# Altium PCB qwq.pcbdoc (part 1 of 3) (continued)
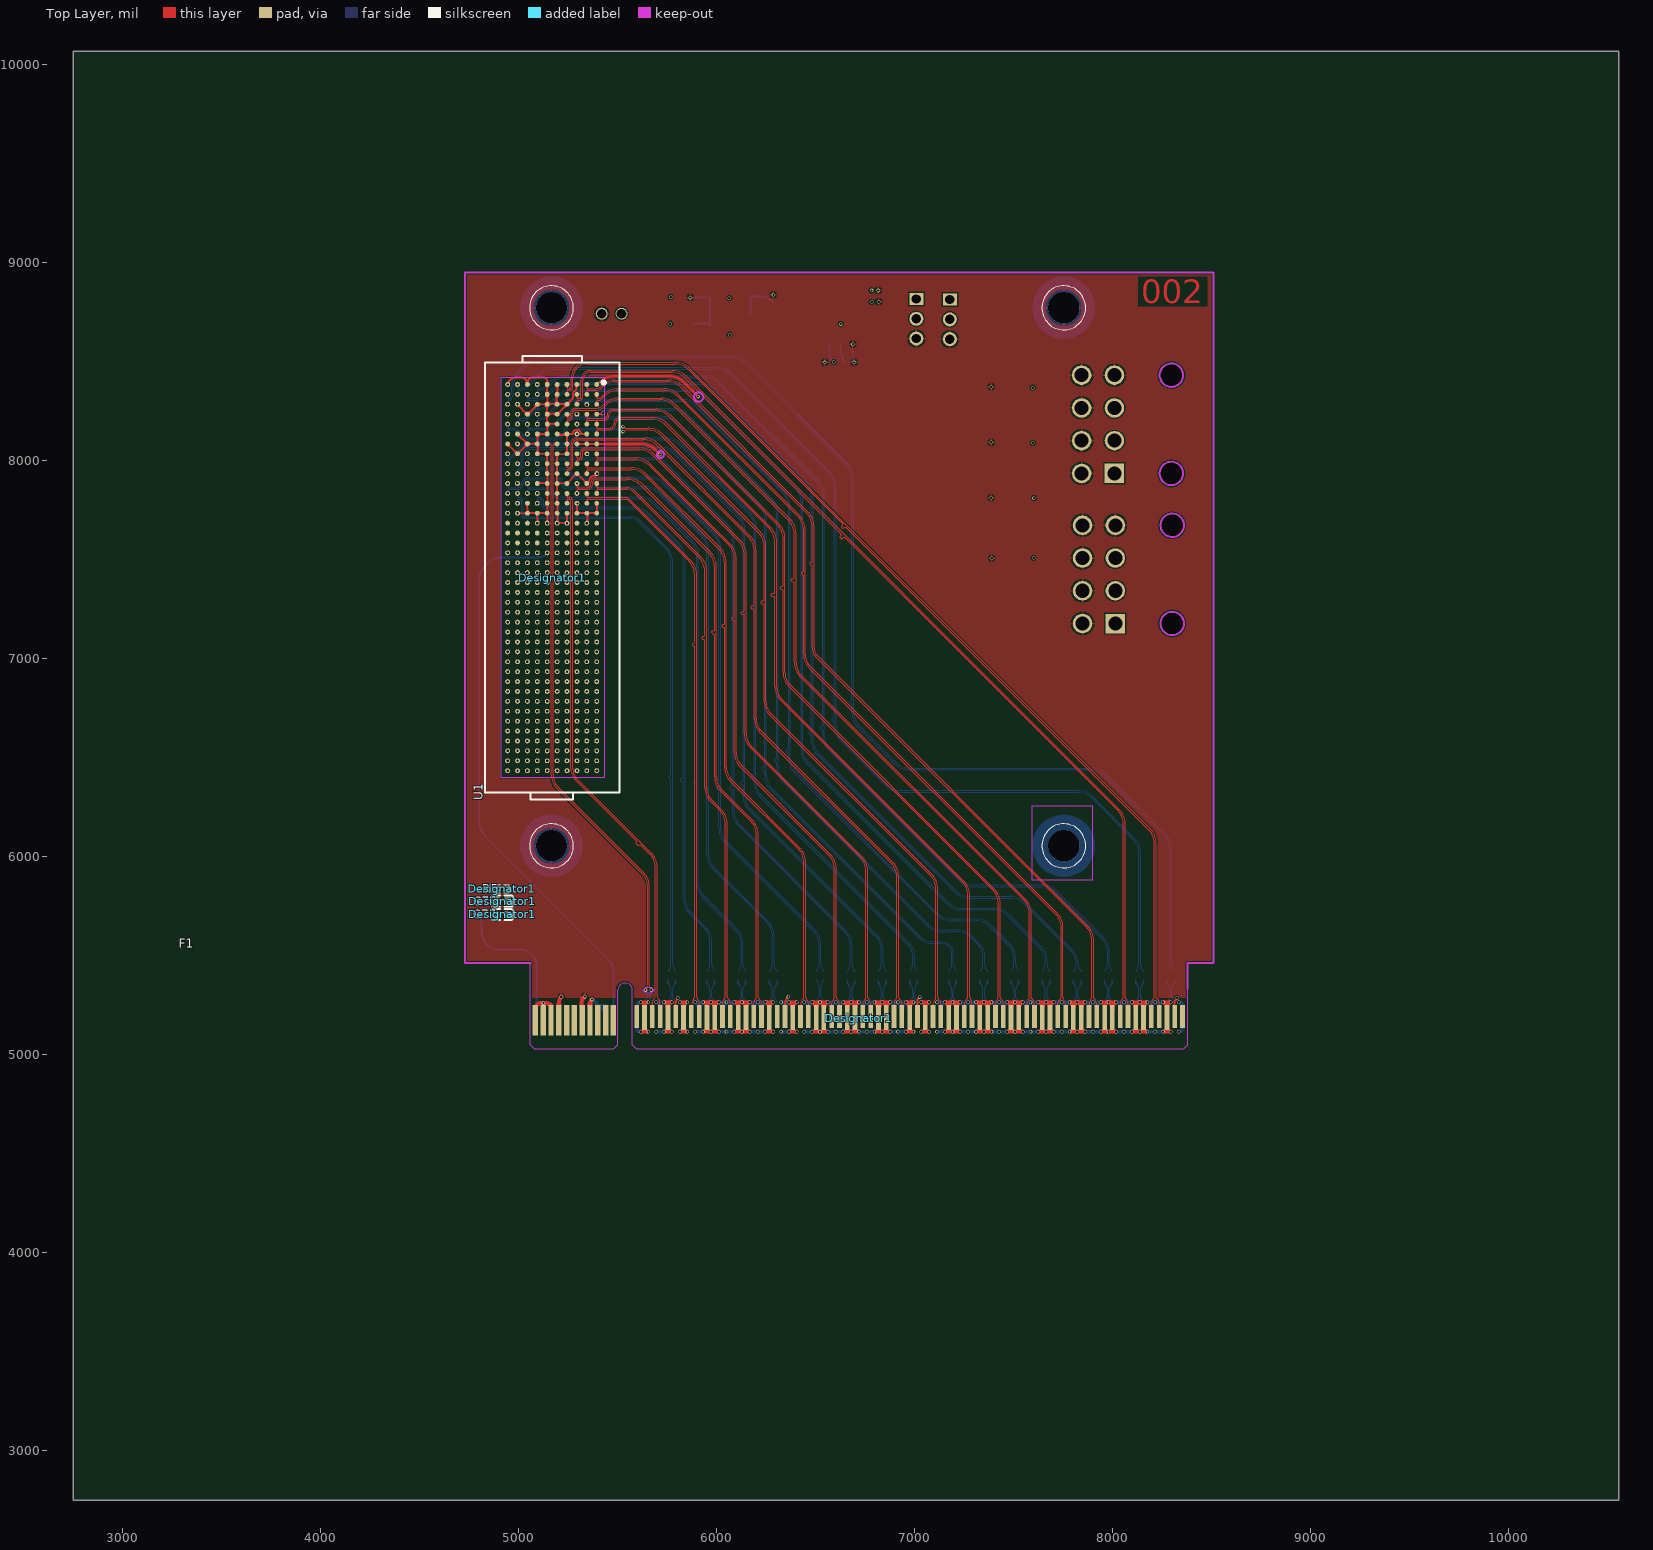
[diagram p0: Top Layer view]
## Design rules (kind name [scope] priority, off if disabled: settings)
BoardOutlineClearance copperThickness1oz_1 [All] p1: gap=10 ignorepadtopadclearanceinfootprint=FALSE except(0: Arc-SplitContinuation Track-SplitContinuation SMDPad-SplitContinuation THPad-SplitContinuation Via-SplitContinuation Fill-SplitContinuation Poly-SplitContinuation Region-SplitContinuation Text-SplitContinuation; 6: Track-CutoutEdge SMDPad-CutoutEdge THPad-CutoutEdge Via-CutoutEdge Region-CutoutEdge; 11.8: Track-OutlineEdge SMDPad-OutlineEdge THPad-OutlineEdge Via-OutlineEdge Fill-OutlineEdge Fill-CutoutEdge Poly-OutlineEdge Region-OutlineEdge Text-OutlineEdge)
BoardOutlineClearance copperThickness2oz_1 [All] p2: gap=10 ignorepadtopadclearanceinfootprint=FALSE except(0: Arc-SplitContinuation Track-SplitContinuation SMDPad-SplitContinuation THPad-SplitContinuation Via-SplitContinuation Fill-SplitContinuation Poly-SplitContinuation Region-SplitContinuation Text-SplitContinuation; 6: Track-CutoutEdge SMDPad-CutoutEdge THPad-CutoutEdge Via-CutoutEdge Region-CutoutEdge; 11.8: Track-OutlineEdge SMDPad-OutlineEdge THPad-OutlineEdge Via-OutlineEdge Fill-OutlineEdge Fill-CutoutEdge Poly-OutlineEdge Region-OutlineEdge Text-OutlineEdge)
Clearance copperThickness1oz [(InNet('GND') OR InNet('+12V') OR InNet('CLK+') OR InNet('CLK-') OR InNet('RX0-') OR InNet('RX15+') OR InNet('RX15-') OR InNet('RX11-') OR InNet('RX7-') OR InNet('RX0+') OR InNet('RX7+') OR InNet('RX11+') OR InNet('RX14-') OR InNet('RX14+') OR InNet('RX6-') OR InNet('RX3+') OR InNet('RX3-') OR InNet('RX6+') OR InNet('RX10-') OR InNet('RX4-') OR InNet('RX13+') OR InNet('RX13-') OR InNet('RX1-') OR InNet('RX1+') OR InNet('RX4+') OR InNet('RX10+') OR InNet('RX2+') OR InNet('RX2-') OR InNet('RX9-') OR InNet('RX12+') OR InNet('RX9+') OR InNet('RX12-') OR InNet('RX5-') OR InNet('RX5+') OR InNet('RX8+') OR InNet('RX8-') OR InNet('+3V3') OR InNet('+5V') OR InNet('+1V8') OR InNet('TX8-') OR InNet('TX3+') OR InNet('TX15+') OR InNet('TX7+') OR InNet('TX8+') OR InNet('TX3-') OR InNet('TX7-') OR InNet('TX15-') OR InNet('TX0-') OR InNet('TX11+') OR InNet('TX14-') OR InNet('TX0+') OR InNet('TX6-') OR InNet('TX6+') OR InNet('TX11-') OR InNet('TX14+') OR InNet('TX2-') OR InNet('TX2+') OR InNet('TX5-') OR InNet('TX12+') OR InNet('TX12-') OR InNet('TX9+') OR InNet('TX9-') OR InNet('TX5+') OR InNet('TX1-') OR InNet('TX1+') OR InNet('TX4-') OR InNet('TX10+') OR InNet('TX13-') OR InNet('TX4+') OR InNet('TX10-') OR InNet('TX13+') OR InNet('PCIET0+') OR InNet('PCIET0-') OR InNet('PCIET1+') OR InNet('PCIET1-') OR InNet('PCIET2+') OR InNet('PCIET2-') OR InNet('PCIET3+') OR InNet('PCIET3-') OR InNet('PCIET4+') OR InNet('PCIET4-') OR InNet('PCIET5+') OR InNet('PCIET5-') OR InNet('PCIET6+') OR InNet('PCIET6-') OR InNet('PCIET7+') OR InNet('PCIET7-') OR InNet('PCIET8+') OR InNet('PCIET8-') OR InNet('PCIET9+') OR InNet('PCIET9-') OR InNet('PCIET10+') OR InNet('PCIET10-') OR InNet('PCIET11+') OR InNet('PCIET11-') OR InNet('PCIET12+') OR InNet('PCIET12-') OR InNet('PCIET13+') OR InNet('PCIET13-') OR InNet('PCIET14+') OR InNet('PCIET14-') OR InNet('PCIET15+') OR InNet('PCIET15-') OR InNet('SXM_PRSNT2') OR InNet('PRSNT2#_SXM') OR InNet('I2CADDR0') OR InNet('PERST#') OR InNet('JTAG_TDI') OR InNet('JTAG_TDO') OR InNet('JTAG_TCLK') OR InNet('I2CADDR1') OR InNet('JTAG_SEL') OR InNet('JTAG_TMS') OR InNet('PWR_EN') OR InNet('THERM_OVER#') OR InNet('JTAG_TRST#') OR InNet('PRSNT2') OR InNet('PRSNT1') OR InNet('PWR_GOOD') OR InNet('PWR_BRAKE#') OR InNet('EN'))] p1: gap=6 ignorepadtopadclearanceinfootprint=FALSE except(4: Track-Track Track-SMDPad Track-THPad Track-Via; 6.9: Track-Hole SMDPad-Hole THPad-Hole Via-Hole Fill-Hole Poly-Hole Region-Hole Text-Hole; 7: Arc-Arc Arc-Track Arc-SMDPad Arc-THPad Arc-Via Arc-Fill Arc-Poly Arc-Region Arc-Text Arc-Hole; 11.8: Track-Fill Fill-Region)
Clearance copperThickness2oz [All] p2: gap=6 ignorepadtopadclearanceinfootprint=FALSE except(6.9: Track-Hole SMDPad-Hole THPad-Hole Via-Hole Fill-Hole Poly-Hole Region-Hole Text-Hole; 7: Arc-Arc Arc-Track Arc-SMDPad Arc-THPad Arc-Via Arc-Fill Arc-Poly Arc-Region Arc-Text Arc-Hole; 8: Track-Track; 11.8: Track-Fill Fill-Region)
DiffPairsRouting differentialPair [All] p1: maxlimit=4 minlimit=4 mostfreqgap=4 toplayer_minwidth=5 toplayer_maxwidth=100 toplayer_prefwidth=5.2 midlayer1_minwidth=5 midlayer1_maxwidth=100 midlayer1_prefwidth=5.2 midlayer2_minwidth=5 midlayer2_maxwidth=100 midlayer2_prefwidth=5.2 midlayer3_minwidth=5 midlayer3_maxwidth=100 midlayer3_prefwidth=5.2 midlayer4_minwidth=5 midlayer4_maxwidth=100 midlayer4_prefwidth=5.2 bottomlayer_minwidth=5 bottomlayer_maxwidth=100 bottomlayer_prefwidth=5.2 maxuncoupledlength=10
PasteMaskExpansion pasteMaskExpansion [All] p1: expansion=0
PlaneConnect innerPlane [All] p1: planeconnectstyle=Relief reliefexpansion=20 reliefentries=4 reliefconductorwidth=10 reliefairgap=10
PolygonConnect copperRegion [All] p1: connectstyle=Relief reliefconductorwidth=10 reliefentries=4 polygonreliefangle="90 Angle" airgapwidth=10
RoutingVias viaSize [All] p1: holewidth=11.8 width=17.7 viastyle="Through Hole" minholewidth=10 minwidth=10 maxholewidth=248.03 maxwidth=393.7
SolderMaskExpansion solderMaskExpansion [All] p1: expansion=2.01 istentingtop=FALSE useseparateexpansions=TRUE expansionbottom=2.01 istentingbottom=FALSE
Width copperThickness1oz_2 [All] p1: maxlimit=100 minlimit=5 preferedwidth=10
Width copperThickness2oz_2 [All] p2: maxlimit=100 minlimit=8 preferedwidth=10
27 further rules are at their usual default settings.

## Components (designator, comment, footprint, x,y, rotation, side; value= is the part's Value field where it differs from the comment)
Designator1 "2.54-1*3P针" HDR-TH_3P-P2.54-V-M-1 7007.63,8714.65 r270 bottom (schematic designator H2)
Designator1 "2.54-1*3P针" HDR-TH_3P-P2.54-V-M-1 7176.59,8711.54 r270 bottom (schematic designator H3)
Designator1 "FRC0402F0000TS" R0402 4915.2,5836.3 r0 top (schematic designator R5)
Designator1 "GRM188R61E106MA73D" C0603 4916.31,5706.65 r0 top (schematic designator C77)
Designator1 "GRM188R61E106MA73D" C0603 4917.11,5774.57 r0 top (schematic designator C75)
Designator1 "X9357WR-2x04EH-LPSW" CONN-TH_8P-P4.20_XKB_X9357WR-2X04EH-N2SW 7929.4,7423.86 r270 bottom (schematic designator U4)
Designator1 "X9357WR-2x04EH-LPSW" CONN-TH_8P-P4.20_XKB_X9357WR-2X04EH-N2SW 7925.13,8181.67 r270 bottom (schematic designator U3)
Designator1 "GRM155R71H104KE14D" C0402 6567,8495 r0 bottom (schematic designator C102)
Designator1 "AMS1117-1.8V" SOT-89-3_L4.5-W2.5-P1.50-LS4.1-BR 6626.75,8636.7 r270 bottom (schematic designator U6)
Designator1 "GRM155R71H104KE14D" C0402 6672.52,8493.82 r180 bottom (schematic designator C103)
Designator1 "CL05B224KO5NNNC" C0402 5753.41,5397.93 r90 bottom (schematic designator C61)
Designator1 "CL05B224KO5NNNC" C0402 5792.97,5397.93 r90 bottom (schematic designator C62)
Designator1 "CL05B224KO5NNNC" C0402 5950.32,5397.93 r90 bottom (schematic designator C1)
Designator1 "CL05B224KO5NNNC" C0402 5989.63,5397.93 r90 bottom (schematic designator C2)
Designator1 "CL05B224KO5NNNC" C0402 6107.77,5397.93 r90 bottom (schematic designator C3)
Designator1 "CL05B224KO5NNNC" C0402 6147.11,5397.93 r90 bottom (schematic designator C4)
Designator1 "CL05B224KO5NNNC" C0402 6265.23,5397.93 r90 bottom (schematic designator C5)
Designator1 "CL05B224KO5NNNC" C0402 6304.59,5397.93 r90 bottom (schematic designator C6)
Designator1 "CL05B224KO5NNNC" C0402 6501.28,5397.93 r90 bottom (schematic designator C7)
Designator1 "CL05B224KO5NNNC" C0402 6540.64,5397.93 r90 bottom (schematic designator C8)
Designator1 "CL05B224KO5NNNC" C0402 6658.92,5397.93 r90 bottom (schematic designator C9)
Designator1 "CL05B224KO5NNNC" C0402 6698.08,5397.93 r90 bottom (schematic designator C10)
Designator1 "CL05B224KO5NNNC" C0402 6816.4,5397.93 r90 bottom (schematic designator C11)
Designator1 "CL05B224KO5NNNC" C0402 6855.77,5397.93 r90 bottom (schematic designator C12)
Designator1 "CL05B224KO5NNNC" C0402 6974.02,5397.93 r90 bottom (schematic designator C13)
Designator1 "CL05B224KO5NNNC" C0402 7013.39,5397.93 r90 bottom (schematic designator C14)
Designator1 "CL05B224KO5NNNC" C0402 7170.73,5397.93 r90 bottom (schematic designator C15)
Designator1 "CL05B224KO5NNNC" C0402 7210.1,5397.93 r90 bottom (schematic designator C16)
Designator1 "CL05B224KO5NNNC" C0402 7328.12,5397.93 r90 bottom (schematic designator C17)
Designator1 "CL05B224KO5NNNC" C0402 7367.48,5397.93 r90 bottom (schematic designator C18)
Designator1 "CL05B224KO5NNNC" C0402 7485.56,5397.93 r90 bottom (schematic designator C19)
Designator1 "CL05B224KO5NNNC" C0402 7524.93,5397.93 r90 bottom (schematic designator C20)
Designator1 "CL05B224KO5NNNC" C0402 7643.01,5397.93 r90 bottom (schematic designator C21)
Designator1 "CL05B224KO5NNNC" C0402 7682.54,5397.93 r90 bottom (schematic designator C22)
Designator1 "CL05B224KO5NNNC" C0402 7800.65,5397.93 r90 bottom (schematic designator C23)
Designator1 "CL05B224KO5NNNC" C0402 7840.02,5397.93 r90 bottom (schematic designator C24)
Designator1 "CL05B224KO5NNNC" C0402 7958.12,5397.93 r90 bottom (schematic designator C25)
Designator1 "CL05B224KO5NNNC" C0402 7997.5,5397.93 r90 bottom (schematic designator C26)
Designator1 "CL05B224KO5NNNC" C0402 8115.61,5397.93 r90 bottom (schematic designator C27)
Designator1 "CL05B224KO5NNNC" C0402 8154.74,5397.93 r90 bottom (schematic designator C28)
Designator1 "CL05B224KO5NNNC" C0402 8273.1,5397.93 r90 bottom (schematic designator C29)
Designator1 "CL05B224KO5NNNC" C0402 8312.47,5397.93 r90 bottom (schematic designator C30)
Designator1 "0402WGF1000TCE" R0402 6798.77,8857.68 r0 bottom (schematic designator R11)
Designator1 "0402WGF1000TCE" R0402 6800.37,8800.18 r0 bottom (schematic designator R12)
Designator1 "84740-102LF" CONN-SMD_400P-P1.27_84740-002LF 5168.77,7407.76 r90 top (schematic designator U1)
Designator1 "Gold Finger CEMx16" "Gold Finger CEM GEN5x16" 6732.03,5539.66 r0 top (schematic designator F1)
Designator1 "RVT1C471M0607" CAP-SMD_BD6.3-L6.6-W6.6-LS7.6-RD 7489.07,8370.32 r180 bottom (schematic designator C104)
Designator1 "RVT1C471M0607" CAP-SMD_BD6.3-L6.6-W6.6-LS7.6-RD 7489.74,8090.84 r180 bottom (schematic designator C105)
Designator1 "RVT1C471M0607" CAP-SMD_BD6.3-L6.6-W6.6-LS7.6-RD 7489.29,7805.87 r180 bottom (schematic designator C106)
Designator1 "RVT1C471M0607" CAP-SMD_BD6.3-L6.6-W6.6-LS7.6-RD 7494.5,7504.98 r180 bottom (schematic designator C107)
Designator1 "SXM_MH" module_sxm2 6458.61,7411.68 r0 bottom locked (schematic designator U9)
Designator1 "ZXDN10S1205SAW-NEWs" ZXDN10S1205SAW-NEWs 5965.59,8724.81 r180 bottom (schematic designator U107)
Designator1 "0402WGF1000TCE" R0402 6284.08,8818.98 r90 bottom (schematic designator R13)
Designator1 "电容" ? 5459.01,8740.18 r180 bottom (schematic designator U108)

## Footprints (in the part's own frame and the unit in brackets; to place one, negate y for a bottom-side part, rotate by r counter-clockwise, add the part's x,y. Pads: shape width x height; smd on the part's side, far side on the other; paste and mask are expansions set on the pad)
C0402 [mm]
  rect 0.79x0.54 smd paste-100 mask+0.051: 1(-0.545,0) 2(0.545,0)
  silkscreen extent -1.17,-0.5 1.17,0.5
C0603 [mm]
  rect 0.8x0.9 smd: 1(-0.7,0) 2(0.7,0)
  silkscreen extent -1.41,-0.71 1.39,0.72
CAP-SMD_BD6.3-L6.6-W6.6-LS7.6-RD [mm]
  rect 3.5x1.2 smd: 1(-2.67,0) 2(2.67,0)
  silkscreen extent -3.38,-3.38 3.38,3.38
CONN-SMD_400P-P1.27_84740-002LF [mil]
  round 24.53 smd paste-3937 mask+2: A1(975,-225) A2(925,-225) A3(875,-225) A4(825,-225) A5(775,-225) A6(725,-225) A7(675,-225) A8(625,-225) A9(575,-225) A10(525,-225) A11(475,-225) A12(425,-225) A13(375,-225) A14(325,-225) A15(275,-225) A16(225,-225) A17(175,-225) A18(125,-225) A19(75,-225) A20(25,-225) A21(-25,-225) A22(-75,-225) A23(-125,-225) A24(-175,-225) A25(-225,-225) A26(-275,-225) A27(-325,-225) A28(-375,-225) A29(-425,-225) A30(-475,-225) A31(-525,-225) A32(-575,-225) A33(-625,-225) A34(-675,-225) A35(-725,-225) A36(-775,-225) A37(-825,-225) A38(-875,-225) A39(-925,-225) A40(-975,-225) B1(975,-175) B2(925,-175) B3(875,-175) B4(825,-175) B5(775,-175) B6(725,-175) B7(675,-175) B8(625,-175) B9(575,-175) B10(525,-175) B11(475,-175) B12(425,-175) B13(375,-175) B14(325,-175) B15(275,-175) B16(225,-175) B17(175,-175) B18(125,-175) B19(75,-175) B20(25,-175) B21(-25,-175) B22(-75,-175) B23(-125,-175) B24(-175,-175) B25(-225,-175) B26(-275,-175) B27(-325,-175) B28(-375,-175) B29(-425,-175) B30(-475,-175) B31(-525,-175) B32(-575,-175) B33(-625,-175) B34(-675,-175) B35(-725,-175) B36(-775,-175) B37(-825,-175) B38(-875,-175) B39(-925,-175) B40(-975,-175) C1(975,-125) C2(925,-125) C3(875,-125) C4(825,-125) C5(775,-125) C6(725,-125) C7(675,-125) C8(625,-125) C9(575,-125) C10(525,-125) C11(475,-125) C12(425,-125) C13(375,-125) C14(325,-125) C15(275,-125) C16(225,-125) C17(175,-125) C18(125,-125) C19(75,-125) C20(25,-125) C21(-25,-125) C22(-75,-125) C23(-125,-125) C24(-175,-125) C25(-225,-125) C26(-275,-125) C27(-325,-125) C28(-375,-125) C29(-425,-125) C30(-475,-125) C31(-525,-125) C32(-575,-125) C33(-625,-125) C34(-675,-125) C35(-725,-125) C36(-775,-125) C37(-825,-125) C38(-875,-125) C39(-925,-125) C40(-975,-125) D1(975,-75) D2(925,-75) D3(875,-75) D4(825,-75) D5(775,-75) D6(725,-75) D7(675,-75) D8(625,-75) D9(575,-75) D10(525,-75) D11(475,-75) D12(425,-75) D13(375,-75) D14(325,-75) D15(275,-75) D16(225,-75) D17(175,-75) D18(125,-75) D19(75,-75) D20(25,-75) D21(-25,-75) D22(-75,-75) D23(-125,-75) D24(-175,-75) D25(-225,-75) D26(-275,-75) D27(-325,-75) D28(-375,-75) D29(-425,-75) D30(-475,-75) D31(-525,-75) D32(-575,-75) D33(-625,-75) D34(-675,-75) D35(-725,-75) D36(-775,-75) D37(-825,-75) D38(-875,-75) D39(-925,-75) D40(-975,-75) E1(975,-25) E2(925,-25) E3(875,-25) E4(825,-25) E5(775,-25) E6(725,-25) E7(675,-25) E8(625,-25) E9(575,-25) E10(525,-25) E11(475,-25) E12(425,-25) E13(375,-25) E14(325,-25) E15(275,-25) E16(225,-25) E17(175,-25) E18(125,-25) E19(75,-25) E20(25,-25) E21(-25,-25) E22(-75,-25) E23(-125,-25) E24(-175,-25) E25(-225,-25) E26(-275,-25) E27(-325,-25) E28(-375,-25) E29(-425,-25) E30(-475,-25) E31(-525,-25) E32(-575,-25) E33(-625,-25) E34(-675,-25) E35(-725,-25) E36(-775,-25) E37(-825,-25) E38(-875,-25) E39(-925,-25) E40(-975,-25) F1(975,25) F2(925,25) F3(875,25) F4(825,25) F5(775,25) F6(725,25) F7(675,25) F8(625,25) F9(575,25) F10(525,25) F11(475,25) F12(425,25) F13(375,25) F14(325,25) F15(275,25) F16(225,25) F17(175,25) F18(125,25) F19(75,25) F20(25,25) F21(-25,25) F22(-75,25) F23(-125,25) F24(-175,25) F25(-225,25) F26(-275,25) F27(-325,25) F28(-375,25) F29(-425,25) F30(-475,25) F31(-525,25) F32(-575,25) F33(-625,25) F34(-675,25) F35(-725,25) F36(-775,25) F37(-825,25) F38(-875,25) F39(-925,25) F40(-975,25) G1(975,75) G2(925,75) G3(875,75) G4(825,75) G5(775,75) G6(725,75) G7(675,75) G8(625,75) G9(575,75) G10(525,75) G11(475,75) G12(425,75) G13(375,75) G14(325,75) G15(275,75) G16(225,75) G17(175,75) G18(125,75) G19(75,75) G20(25,75) G21(-25,75) G22(-75,75) G23(-125,75) G24(-175,75) G25(-225,75) G26(-275,75) G27(-325,75) G28(-375,75) G29(-425,75) G30(-475,75) G31(-525,75) G32(-575,75) G33(-625,75) G34(-675,75) G35(-725,75) G36(-775,75) G37(-825,75) G38(-875,75) G39(-925,75) G40(-975,75) H1(975,125) H2(925,125) H3(875,125) H4(825,125) H5(775,125) H6(725,125) H7(675,125) H8(625,125) H9(575,125) H10(525,125) H11(475,125) H12(425,125) H13(375,125) H14(325,125) H15(275,125) H16(225,125) H17(175,125) H18(125,125) H19(75,125) H20(25,125) H21(-25,125) H22(-75,125) H23(-125,125) H24(-175,125) H25(-225,125) H26(-275,125) H27(-325,125) H28(-375,125) H29(-425,125) H30(-475,125) H31(-525,125) H32(-575,125) H33(-625,125) H34(-675,125) H35(-725,125) H36(-775,125) H37(-825,125) H38(-875,125) H39(-925,125) H40(-975,125) J1(975,175) J2(925,175) J3(875,175) J4(825,175) J5(775,175) J6(725,175) J7(675,175) J8(625,175) J9(575,175) J10(525,175) J11(475,175) J12(425,175) J13(375,175) J14(325,175) J15(275,175) J16(225,175) J17(175,175) J18(125,175) J19(75,175) J20(25,175) J21(-25,175) J22(-75,175) J23(-125,175) J24(-175,175) J25(-225,175) J26(-275,175) J27(-325,175) J28(-375,175) J29(-425,175) J30(-475,175) J31(-525,175) J32(-575,175) J33(-625,175) J34(-675,175) J35(-725,175) J36(-775,175) J37(-825,175) J38(-875,175) J39(-925,175) J40(-975,175) K1(975,225) K2(925,225) K3(875,225) K4(825,225) K5(775,225) K6(725,225) K7(675,225) K8(625,225) K9(575,225) K10(525,225) K11(475,225) K12(425,225) K13(375,225) K14(325,225) K15(275,225) K16(225,225) K17(175,225) K18(125,225) K19(75,225) K20(25,225) K21(-25,225) K22(-75,225) K23(-125,225) K24(-175,225) K25(-225,225) K26(-275,225) K27(-325,225) K28(-375,225) K29(-425,225) K30(-475,225) K31(-525,225) K32(-575,225) K33(-625,225) K34(-675,225) K35(-725,225) K36(-775,225) K37(-825,225) K38(-875,225) K39(-925,225) K40(-975,225)
  silkscreen extent -1120,-340 1120,340
CONN-TH_8P-P4.20_XKB_X9357WR-2X04EH-N2SW [mm]
  rect 2.5x2.5 hole 1.8 paste+0 mask+0.05: 1(6.3,-2.1)
  round 2.5 hole 1.8 paste+0 mask+0.05: 2(2.1,-2.1) 3(-2.1,-2.1) 4(-6.3,-2.1) 5(6.3,2.1) 6(2.1,2.1) 7(-2.1,2.1) 8(-6.3,2.1)
  Board Outline Layer board cut-out: 6.3,-10.9 5.649,-10.751 5.127,-10.335 4.838,-9.734 4.838,-9.066 5.127,-8.465 5.649,-8.048 6.3,-7.9 6.3,-7.9 6.951,-8.048 7.473,-8.465 7.762,-9.066 7.762,-9.734 7.473,-10.335 6.951,-10.751 6.3,-10.9 6.3,-10.9
  Board Outline Layer board cut-out: -6.3,-10.9 -6.951,-10.751 -7.473,-10.335 -7.762,-9.734 -7.762,-9.066 -7.473,-8.465 -6.951,-8.048 -6.3,-7.9 -6.3,-7.9 -5.649,-8.048 -5.127,-8.465 -4.837,-9.066 -4.838,-9.734 -5.127,-10.335 -5.649,-10.751 -6.3,-10.9 -6.3,-10.9
  Board Outline Layer circle w0.005: c6.3,-9.4 r1.5
  Board Outline Layer circle w0.254: c6.3,-9.4 r1.5
  Board Outline Layer circle w0.005: c-6.3,-9.4 r1.5
  Board Outline Layer circle w0.254: c-6.3,-9.4 r1.5
  silkscreen extent -9,-16 9,0.76
"Gold Finger CEM GEN5x16" [mm]
  rect 0.7x3.2 smd far side paste+0 mask+0: A1(-41.858,-8.949)
  rect 0.7x3.91 smd far side paste+0 mask+0: A2(-40.858,-9.304) A3(-39.858,-9.304) A4(-38.858,-9.304) A5(-37.858,-9.304) A6(-36.858,-9.304) A7(-35.858,-9.304) A8(-34.858,-9.304) A9(-33.858,-9.304) A10(-32.858,-9.304) A11(-31.858,-9.304)
  rect 0.6x3.2 smd far side paste+0 mask+0: A12(-28.858,-8.949) A15(-25.858,-8.949) A18(-22.858,-8.949) A20(-20.858,-8.949) A23(-17.858,-8.949) A24(-16.858,-8.949) A27(-13.858,-8.949) A28(-12.858,-8.949) A31(-9.858,-8.949) A34(-6.858,-8.949) A37(-3.858,-8.949) A38(-2.858,-8.949) A41(0.142,-8.949) A42(1.142,-8.949) A45(4.142,-8.949) A46(5.142,-8.949) A49(8.142,-8.949) A51(10.142,-8.949) A54(13.142,-8.949) A55(14.142,-8.949) A58(17.142,-8.949) A59(18.142,-8.949) A62(21.142,-8.949) A63(22.142,-8.949) A66(25.142,-8.949) A67(26.142,-8.949) A70(29.142,-8.949) A71(30.142,-8.949) A74(33.142,-8.949) A75(34.142,-8.949) A78(37.142,-8.949) A79(38.142,-8.949) A82(41.142,-8.949)
  rect 0.6x3 smd far side paste+0 mask+0: A13(-27.858,-8.849) A14(-26.858,-8.849) A16(-24.858,-8.849) A17(-23.858,-8.849) A19(-21.858,-8.849) A21(-19.858,-8.849) A22(-18.858,-8.849) A25(-15.858,-8.849) A26(-14.858,-8.849) A29(-11.858,-8.849) A30(-10.858,-8.849) A32(-8.858,-8.849) A33(-7.858,-8.849) A35(-5.858,-8.849) A36(-4.858,-8.849) A39(-1.858,-8.849) A40(-0.858,-8.849) A43(2.142,-8.849) A44(3.142,-8.849) A47(6.142,-8.849) A48(7.142,-8.849) A50(9.142,-8.849) A52(11.142,-8.849) A53(12.142,-8.849) A56(15.142,-8.849) A57(16.142,-8.849) A60(19.142,-8.849) A61(20.142,-8.849) A64(23.142,-8.849) A65(24.142,-8.849) A68(27.142,-8.849) A69(28.142,-8.849) A72(31.142,-8.849) A73(32.142,-8.849) A76(35.142,-8.849) A77(36.142,-8.849) A80(39.142,-8.849) A81(40.142,-8.849)
  rect 0.7x3.91 smd paste+0 mask+0: B1(-41.858,-9.304) B2(-40.858,-9.304) B3(-39.858,-9.304) B4(-38.858,-9.304) B5(-37.858,-9.304) B6(-36.858,-9.304) B7(-35.858,-9.304) B8(-34.858,-9.304) B9(-33.858,-9.304) B10(-32.858,-9.304) B11(-31.858,-9.304)
  rect 0.6x3 smd paste+0 mask+0: B12(-28.858,-8.849) B14(-26.858,-8.849) B15(-25.858,-8.849) B17(-23.858,-8.849) B19(-21.858,-8.849) B20(-20.858,-8.849) B23(-17.858,-8.849) B24(-16.858,-8.849) B27(-13.858,-8.849) B28(-12.858,-8.849) B30(-10.858,-8.849) B31(-9.858,-8.849) B33(-7.858,-8.849) B34(-6.858,-8.849) B37(-3.858,-8.849) B38(-2.858,-8.849) B41(0.142,-8.849) B42(1.142,-8.849) B45(4.142,-8.849) B46(5.142,-8.849) B48(7.142,-8.849) B50(9.142,-8.849) B51(10.142,-8.849) B54(13.142,-8.849) B55(14.142,-8.849) B58(17.142,-8.849) B59(18.142,-8.849) B62(21.142,-8.849) B63(22.142,-8.849) B66(25.142,-8.849) B67(26.142,-8.849) B70(29.142,-8.849) B71(30.142,-8.849) B74(33.142,-8.849) B75(34.142,-8.849) B78(37.142,-8.849) B79(38.142,-8.849) B81(40.142,-8.849) B82(41.142,-8.849)
  rect 0.6x3.2 smd paste+0 mask+0: B13(-27.858,-8.949) B16(-24.858,-8.949) B18(-22.858,-8.949) B21(-19.858,-8.949) B22(-18.858,-8.949) B25(-15.858,-8.949) B26(-14.858,-8.949) B29(-11.858,-8.949) B32(-8.858,-8.949) B35(-5.858,-8.949) B36(-4.858,-8.949) B39(-1.858,-8.949) B40(-0.858,-8.949) B43(2.142,-8.949) B44(3.142,-8.949) B47(6.142,-8.949) B49(8.142,-8.949) B52(11.142,-8.949) B53(12.142,-8.949) B56(15.142,-8.949) B57(16.142,-8.949) B60(19.142,-8.949) B61(20.142,-8.949) B64(23.142,-8.949) B65(24.142,-8.949) B68(27.142,-8.949) B69(28.142,-8.949) B72(31.142,-8.949) B73(32.142,-8.949) B76(35.142,-8.949) B77(36.142,-8.949) B80(39.142,-8.949)
  Board Outline Layer lines w0.152: -42.508,-12.449 -42.008,-12.949 ; -42.508,-12.449 -42.008,-12.949 ; -42.508,-12.449 -42.508,-2.024 -42.508,-12.449 ; -42.008,-12.949 -31.808,-12.949 ; -42.008,-12.949 -31.808,-12.949 ; -31.808,-12.949 -31.308,-12.449 ; -31.808,-12.949 -31.308,-12.449 ; -31.308,-12.449 -31.308,-5.499 ; -31.308,-12.449 -31.308,-5.499 ; -31.308,-5.499 cw(c-30.358,-5.499) -29.408,-5.499 ; -31.308,-5.499 cw(c-30.358,-5.499) -29.408,-5.499 ; -29.408,-12.449 -29.408,-5.499 ; -29.408,-12.449 -28.908,-12.949 ; -29.408,-12.449 -29.408,-5.499 ; -29.408,-12.449 -28.908,-12.949 ; -28.908,-12.949 41.292,-12.949 ; -28.908,-12.949 41.292,-12.949 ; 41.292,-12.949 41.792,-12.449 ; 41.292,-12.949 41.792,-12.449 ; 41.792,-12.449 41.792,-5.344 41.792,-12.449
HDR-TH_3P-P2.54-V-M-1 [mm]
  rect 1.575x1.8 hole 1.2: 1(-2.54,0)
  round 1.8 hole 1.2: 2(0,0) 3(2.54,0)
  silkscreen extent -3.81,-1.27 3.81,1.27
module_sxm2 [mil]
  round 158 hole 158 unplated paste+0 mask+10: MH2(1293.3,1358.27) MH3(-1293.31,1358.27) MH6(1293.3,-1358.26) MH7(-1293.31,-1358.26)
  Top Layer region: -1135.83,1358.27 -1157.09,1279.75 -1214.71,1222.31 -1293.31,1201.3 -1371.9,1222.31 -1429.52,1279.75 -1450.78,1358.28 -1450.78,1358.28 -1429.52,1436.8 -1371.9,1494.24 -1293.3,1515.25 -1214.71,1494.24 -1157.09,1436.8 -1135.82,1358.27 -1135.83,1358.27
  Top Layer region: -1135.83,-1358.26 -1157.09,-1436.79 -1214.71,-1494.23 -1293.3,-1515.24 -1371.9,-1494.23 -1429.52,-1436.79 -1450.78,-1358.26 -1450.78,-1358.26 -1429.52,-1279.74 -1371.9,-1222.3 -1293.3,-1201.29 -1214.71,-1222.3 -1157.09,-1279.74 -1135.83,-1358.26 -1135.83,-1358.26
  Top Layer region: 1450.78,-1358.26 1429.45,-1436.7 1371.84,-1494.05 1293.31,-1515.03 1214.78,-1494.05 1157.17,-1436.7 1135.84,-1358.26 1135.84,-1358.26 1157.17,-1279.83 1214.78,-1222.48 1293.31,-1201.5 1371.84,-1222.48 1429.45,-1279.83 1450.78,-1358.26 1450.78,-1358.26
  Top Layer region: 1450.78,1358.27 1429.45,1279.84 1371.84,1222.49 1293.31,1201.51 1214.78,1222.49 1157.17,1279.84 1135.84,1358.28 1135.84,1358.28 1157.17,1436.71 1214.78,1494.06 1293.31,1515.04 1371.85,1494.06 1429.45,1436.71 1450.79,1358.27 1450.78,1358.27
  silkscreen extent -2756,-1535 2756,1535
R0402 [mm]
  rect 0.566x0.54 smd paste-100 mask+0.051: 1(-0.433,0) 2(0.433,0)
  silkscreen extent -0.94,-0.5 0.94,0.5
SOT-89-3_L4.5-W2.5-P1.50-LS4.1-BR [mm]
  oval 1.9x0.7 smd paste-100 mask+0.051: 1(1.25,-1.501) 3(1.25,1.501)
  oval 3.5x2 smd paste-100 mask+0.051: 2(-1.25,0)
  oval 2.1x0.7 smd paste-100 mask+0.051: 2(1.151,0)
  silkscreen extent -1.85,-2.61 1.68,2.3
ZXDN10S1205SAW-NEWs [mm]
  rect 1x4 smd: 1(-5.08,-1.15) 2(-2.54,-1.15) 3(0,-1.15) 4(2.54,-1.15) 5(5.08,-1.15) 6(7.62,-1.15)
  rect 1.8x1.8 smd: 1(-5.08,2.54) 2(-2.54,2.54) 3(0,2.54) 4(2.54,2.54) 5(5.08,2.54) 6(7.62,2.54)
  silkscreen extent -7.04,-4.42 9.46,5.08
? [mil]
  round 60 hole 49.21 paste+0 mask+4: 1(-60,0) 2(40,0)
  silkscreen extent -120,-120 120,120

## Via types
v1: diameter 17.7, hole 11.81, Top Layer to Bottom Layer, 285 vias
v2: diameter 17.72, hole 11.81, Top Layer to Bottom Layer, 142 vias
v3: diameter 17.7, hole 11.8, Top Layer to Bottom Layer, 52 vias

## Nets (pads, with @x,y where several pads share a name; then routed paths per layer and width w, separated by ;. In a path a pad name is that pad's centre, name@x,y a point inside that pad or via, vN(x,y) a via of type N, cw(c..) or ccw(c..) an arc to the next point about the centre after c; other vN are vias at no path point)
+1V8: Designator1.1@7007.63,8814.65 Designator1.1@7176.59,8811.54 Designator1.2@6626.75,8591.4 Designator1.2@6626.75,8685.9 Designator1.2@6651.06,8493.82 | length 530.2
  Inner3 w20: v3@6629.41,8689.5 6788.23,8689.5 ccw(c6788.23,8752.65) 6832.89,8708 6917.67,8792.78 cw(c6966.05,8744.4) 6966.05,8812.82 Designator1.1@7010.16,8812.82
  Bottom Layer w5.2: Designator1.2@6626.75,8591.4 6626.75,8552.51 ccw(c6709.75,8552.51) Designator1.2@6651.06,8493.82
  other v3: 6626.33,8687.96
+3V3: Designator1.A9@5399.05,5173.35 Designator1.A10@5438.42,5173.35 Designator1.B8@5359.68,5173.35 | length 126.9
  Top Layer w20: Designator1.B8@5355.79,5242.95 5355.79,5243.55 cw(c5403.61,5243.55) v3@5369.8,5277.36
  Bottom Layer w20: v3@5371.32,5279.19 5390.58,5259.93 cw(c5372.39,5241.74) Designator1.A9@5398.11,5241.74 ; Designator1.A9@5399.33,5243.56 5438.23,5243.56 cw(c5438.23,5240.44) Designator1.A10@5440.44,5242.65
  other v3: 5369.49,5277.06
+5V: Designator1.1@5519.01,8740.18 Designator1.2@6588.46,8495 Designator1.3@6567.65,8587.5 Designator1.5@5765.59,8679.53 Designator1.5@5765.59,8824.81 Designator1.F20 Designator1.G20 Designator1.H20 Designator1.J20 Designator1.K20 | length 3048.5
  Inner2 w10: v1@5093.48,7433.02 v1@5093.48,7433.37
  Inner3 w20: v1@4943.29,7432.05 4912.31,7432.05 cw(c4912.31,7492.87) 4869.3,7449.86 4858.09,7461.08 cw(c4928.8,7531.79) 4828.8,7531.79 4828.8,8451.9 cw(c4900.74,8451.9) 4849.87,8502.78 4909.98,8562.89 cw(c4947.19,8525.68) 4947.19,8578.31 6463.47,8578.31 cw(c6463.47,8478.31) 6534.18,8549.02 v3@6590.18,8493.01
  Bottom Layer w5.2: Designator1.3@6567.65,8587.5 6567.65,8545.25 ccw(c6638.71,8545.25) Designator1.2@6588.46,8495
  other v1: 4943.77,7432.76 4993.77,7432.76 5043.77,7432.76 5093.77,7432.76 5143.77,7432.77
  other v3: 6590.47,8495.33 5765.53,8689.43 5766.67,8823.71
+12V: Designator1.1@4888.75,5706.65 Designator1.1@4889.55,5774.57 Designator1.1@7594.18,8370.32 Designator1.1@7594.41,7805.87 Designator1.1@7594.85,8090.84 Designator1.1@7599.61,7504.98 Designator1.1@8007.81,7933.64 Designator1.1@8012.08,7175.83 Designator1.2@6065.59,8679.53 Designator1.2@6065.59,8824.81 Designator1.2@8007.81,8098.99 Designator1.2@8012.08,7341.19 Designator1.3@8007.81,8264.35 Designator1.3@8012.08,7506.54 Designator1.A2@5123.46,5173.35 Designator1.A3@5162.83,5173.35 Designator1.A22@5393.77,7332.76 Designator1.A23@5393.77,7282.76 Designator1.A25@5393.77,7182.76 Designator1.A26@5393.77,7132.76 Designator1.A28@5393.77,7032.76 Designator1.A29@5393.77,6982.76 Designator1.A31@5393.77,6882.76 Designator1.A32@5393.77,6832.76 Designator1.A34@5393.77,6732.76 Designator1.A35@5393.77,6682.76 Designator1.A37@5393.77,6582.76 Designator1.A38@5393.77,6532.76 Designator1.A40@5393.77,6432.76 Designator1.B1@5084.09,5173.35 Designator1.B2@5123.46,5173.35 Designator1.B3@5162.83,5173.35 Designator1.B22@5343.77,7332.76 Designator1.B23@5343.77,7282.76 Designator1.B25@5343.77,7182.76 Designator1.B26@5343.77,7132.76 Designator1.B28@5343.77,7032.76 Designator1.B29@5343.77,6982.76 Designator1.B31@5343.77,6882.76 Designator1.B32@5343.77,6832.76 Designator1.B34@5343.77,6732.76 Designator1.B35@5343.77,6682.76 Designator1.B37@5343.77,6582.76 Designator1.B38@5343.77,6532.76 Designator1.B40@5343.77,6432.76 Designator1.C22 Designator1.C23 Designator1.C25 Designator1.C26 Designator1.C28 Designator1.C29 Designator1.C31 Designator1.C32 Designator1.C34 Designator1.C35 Designator1.C37 Designator1.C38 Designator1.C40 Designator1.D22 Designator1.D23 Designator1.D25 Designator1.D26 Designator1.D28 Designator1.D29 Designator1.D31 Designator1.D32 Designator1.D34 Designator1.D35 Designator1.D37 Designator1.D38 Designator1.D40 Designator1.E22 Designator1.E23 Designator1.E25 Designator1.E26 Designator1.E28 Designator1.E29 Designator1.E31 Designator1.E32 Designator1.E34 Designator1.E35 Designator1.E37 Designator1.E38 Designator1.E40 Designator1.F22 Designator1.F23 Designator1.F25 Designator1.F26 Designator1.F28 Designator1.F29 Designator1.F31 Designator1.F32 Designator1.F34 Designator1.F35 Designator1.F37 Designator1.F38 Designator1.F40 Designator1.G22 Designator1.G23 Designator1.G25 Designator1.G26 Designator1.G28 Designator1.G29 Designator1.G31 Designator1.G32 Designator1.G34 Designator1.G35 Designator1.G37 Designator1.G38 Designator1.G40 Designator1.H22 Designator1.H23 Designator1.H25 Designator1.H26 Designator1.H28 Designator1.H29 Designator1.H31 Designator1.H32 Designator1.H34 Designator1.H35 Designator1.H37 Designator1.H38 Designator1.H40 Designator1.J22 Designator1.J23 Designator1.J25 Designator1.J26 Designator1.J28 Designator1.J29 Designator1.J31 Designator1.J32 Designator1.J34 Designator1.J35 Designator1.J37 Designator1.J38 Designator1.J40 Designator1.K22 Designator1.K23 Designator1.K25 Designator1.K26 Designator1.K28 Designator1.K29 Designator1.K31 Designator1.K32 Designator1.K34 Designator1.K35 Designator1.K37 Designator1.K38 Designator1.K40 | length 3103.2
  Top Layer w20: Designator1.B1@5084.27,5242.1 5094.81,5252.65 cw(c5111.45,5236.01) 5111.45,5259.54 5134.55,5259.54 cw(c5134.55,5217.52) Designator1.B3@5164.27,5247.23 ; Designator1.B1@5087.27,5243.44 Designator1.B1@5088.04,5242.67 ; Designator1.B2@5122.22,5247.23 v3@5122.22,5259.02
  Inner3 w20: v3(6065.19,8634.41) 6493.64,8634.41 6499.67,8628.37 cw(c6499.67,8528.37) 6570.38,8599.08 6641.28,8528.18 cw(c6570.57,8457.47) 6670.57,8457.47 6670.57,7580.95
  Inner3 w40: 4902.82,5639.65 4952.76,5589.71 ccw(c5023.47,5660.43) 5023.47,5560.43 5036.66,5560.43 cw(c5036.66,5517.02) 5067.35,5547.71 5103.19,5511.87 cw(c5047.48,5456.16) 5126.27,5456.16 5126.27,5288.03 ; 4917.33,5630.52 cw(c4988.04,5701.23) 4888.04,5701.23 4884.97,5704.31 4884.97,5761.45 4888.04,5764.52 ccw(c4876.23,5764.52) 4884.58,5772.88 4851.51,5805.95 cw(c4916.51,5870.95) 4824.58,5870.95 4824.58,6180.91 cw(c4923.07,6180.91) 4853.43,6250.55 4919.9,6317.03 ccw(c4849.19,6387.74) 4949.19,6387.74 v1@4949.19,6431.7 ; v3@5124.39,5265.02 ccw(c5123.84,5265.57) 5124.62,5265.57 5124.62,5285.53
  Bottom Layer w20: Designator1.A2@5123.09,5243.69 5123.09,5254.93 cw(c5130.1,5254.93) v3@5125.14,5259.89 ; v3@5127.42,5259.89 cw(c5127.42,5211.98) 5161.3,5245.85 Designator1.A3@5162.32,5244.83
  other v1: 4943.77,6432.76 4993.77,6432.76 5043.77,6432.77 5093.77,6432.76 5143.77,6432.77 5193.77,6432.77 5243.77,6432.76 5293.77,6432.76 5343.77,6432.76 5393.77,6432.77 4943.77,6532.76 4993.77,6532.77 5043.77,6532.77 5093.77,6532.76 5143.77,6532.76 5193.77,6532.76 5243.77,6532.76 5293.77,6532.76 5343.77,6532.76 5393.77,6532.77 4943.77,6582.76 4993.77,6582.77 5043.77,6582.77 5093.77,6582.77 5143.77,6582.76 5193.77,6582.76 5243.77,6582.77 5293.77,6582.76 5343.77,6582.76 5393.77,6582.76 4943.77,6682.76 4993.77,6682.77 5043.77,6682.77 5093.77,6682.77 5143.77,6682.76 5193.77,6682.76 5243.77,6682.77 5293.77,6682.76 5343.77,6682.76 5393.77,6682.76 4943.77,6732.76 4993.77,6732.77 5043.77,6732.77 5093.77,6732.77 5143.77,6732.76 5193.77,6732.76 5243.77,6732.77 5293.77,6732.76 5343.77,6732.76 5393.77,6732.76 4943.77,6832.76 4993.77,6832.77 5043.77,6832.77 5093.77,6832.77 5143.77,6832.76 5193.77,6832.76 5243.77,6832.77 5293.77,6832.76 5343.77,6832.76 5393.77,6832.76 4943.77,6882.76 4993.77,6882.77 5043.77,6882.77 5093.77,6882.77 5143.77,6882.76 5193.77,6882.76 5243.77,6882.77 5293.77,6882.76 5343.77,6882.76 5393.77,6882.76 4943.77,6982.77 4993.77,6982.77 5043.77,6982.77 5093.77,6982.77 5143.77,6982.77 5193.77,6982.77 5243.77,6982.77 5293.77,6982.77 5343.77,6982.77 5393.77,6982.77 4943.77,7032.76 4993.77,7032.77 5043.77,7032.77 5093.77,7032.77 5143.77,7032.76 5193.77,7032.76 5243.77,7032.77 5293.77,7032.76 5343.77,7032.76 5393.77,7032.76 4943.77,7132.76 4993.77,7132.77 5043.77,7132.77 5093.77,7132.77 5143.77,7132.76 5193.77,7132.76 5243.77,7132.77 5293.77,7132.76 5343.77,7132.76 5393.77,7132.76 4943.77,7182.76 4993.77,7182.77 5043.77,7182.77 5093.77,7182.77 5143.77,7182.76 5193.77,7182.76 5243.77,7182.77 5293.77,7182.76 5343.77,7182.76 5393.77,7182.76 4943.77,7282.76 4993.77,7282.77 5043.77,7282.77 5093.77,7282.77 5143.77,7282.76 5193.77,7282.76 5243.77,7282.77 5293.77,7282.76 5343.77,7282.76 5393.77,7282.76 4943.77,7332.76 4993.77,7332.77 5043.77,7332.77 5093.77,7332.77 5143.77,7332.76 5193.77,7332.76 5243.77,7332.77 5293.77,7332.76 5343.77,7332.76 5393.77,7332.76
  other v3: 5124.62,5259.32 4888.23,5706.95 4888.91,5770.54 7600.11,7507.43 7601.27,7808.58 7595.5,8087.79 7595.5,8367.01 6063.24,8818.97
CLK+: Designator1.A13@5635.27,5191.27 Designator1.F7 | length 3112
  Top Layer w5.2: Designator1.F7@5143.77,8082.76 5157.89,8082.76 cw(c5157.89,8076.49) 5162.33,8080.93 cw(c5157.89,8076.49) 5164.17,8076.49 5164.17,6412.4 ccw(c5264.17,6412.4) 5193.46,6341.69 5623.76,5911.38 cw(c5559.55,5847.18) 5650.35,5847.18 5650.35,5349.7 cw(c5615.33,5349.7) v2(5640.1,5324.93)
  Bottom Layer w5.15: Designator1.A13@5635.27,5192.05 5635.27,5264.36 cw(c5647.7,5264.36) 5638.91,5273.16 5644.7,5278.95 ccw(c5631.02,5292.63) 5650.37,5292.63 5650.37,5293.38 ccw(c5632.83,5293.38) 5645.23,5305.79 cw(c5657.64,5318.19) 5640.1,5318.19 v2(5640.1,5324.93)
CLK-: Designator1.A14@5674.64,5191.27 Designator1.E7 | length 3112
  Top Layer w5.2: Designator1.E7@5193.77,8082.76 5179.64,8082.76 ccw(c5179.64,8076.49) 5175.2,8080.93 ccw(c5179.64,8076.49) 5173.37,8076.49 5173.37,6412.4 ccw(c5264.17,6412.4) 5199.96,6348.19 5630.26,5917.89 cw(c5559.55,5847.18) 5659.55,5847.18 5659.55,5349.7 ccw(c5694.58,5349.7) v2(5669.81,5324.93)
  Bottom Layer w5.15: v2(5669.81,5324.93) 5669.81,5318.19 cw(c5652.27,5318.19) 5664.67,5305.79 ccw(c5677.08,5293.38) 5659.54,5293.38 5659.54,5292.63 ccw(c5678.89,5292.63) 5665.21,5278.95 5671,5273.16 cw(c5662.21,5264.36) 5674.64,5264.36 Designator1.A14@5674.64,5192.05
EN: Designator1.1@6165.59,8679.53 Designator1.1@6165.59,8824.81 Designator1.1@6284.08,8801.94 | length 204.7
  Bottom Layer w10: Designator1.1@6171.37,8741.16 6171.37,8822.22 cw(c6176.63,8822.22) 6172.91,8825.94 6222.17,8825.94 cw(c6222.17,8736.47) Designator1.1@6285.44,8799.73